# KiCad board poly_kb_molecule_5x4_wave.kicad_pcb (continued)
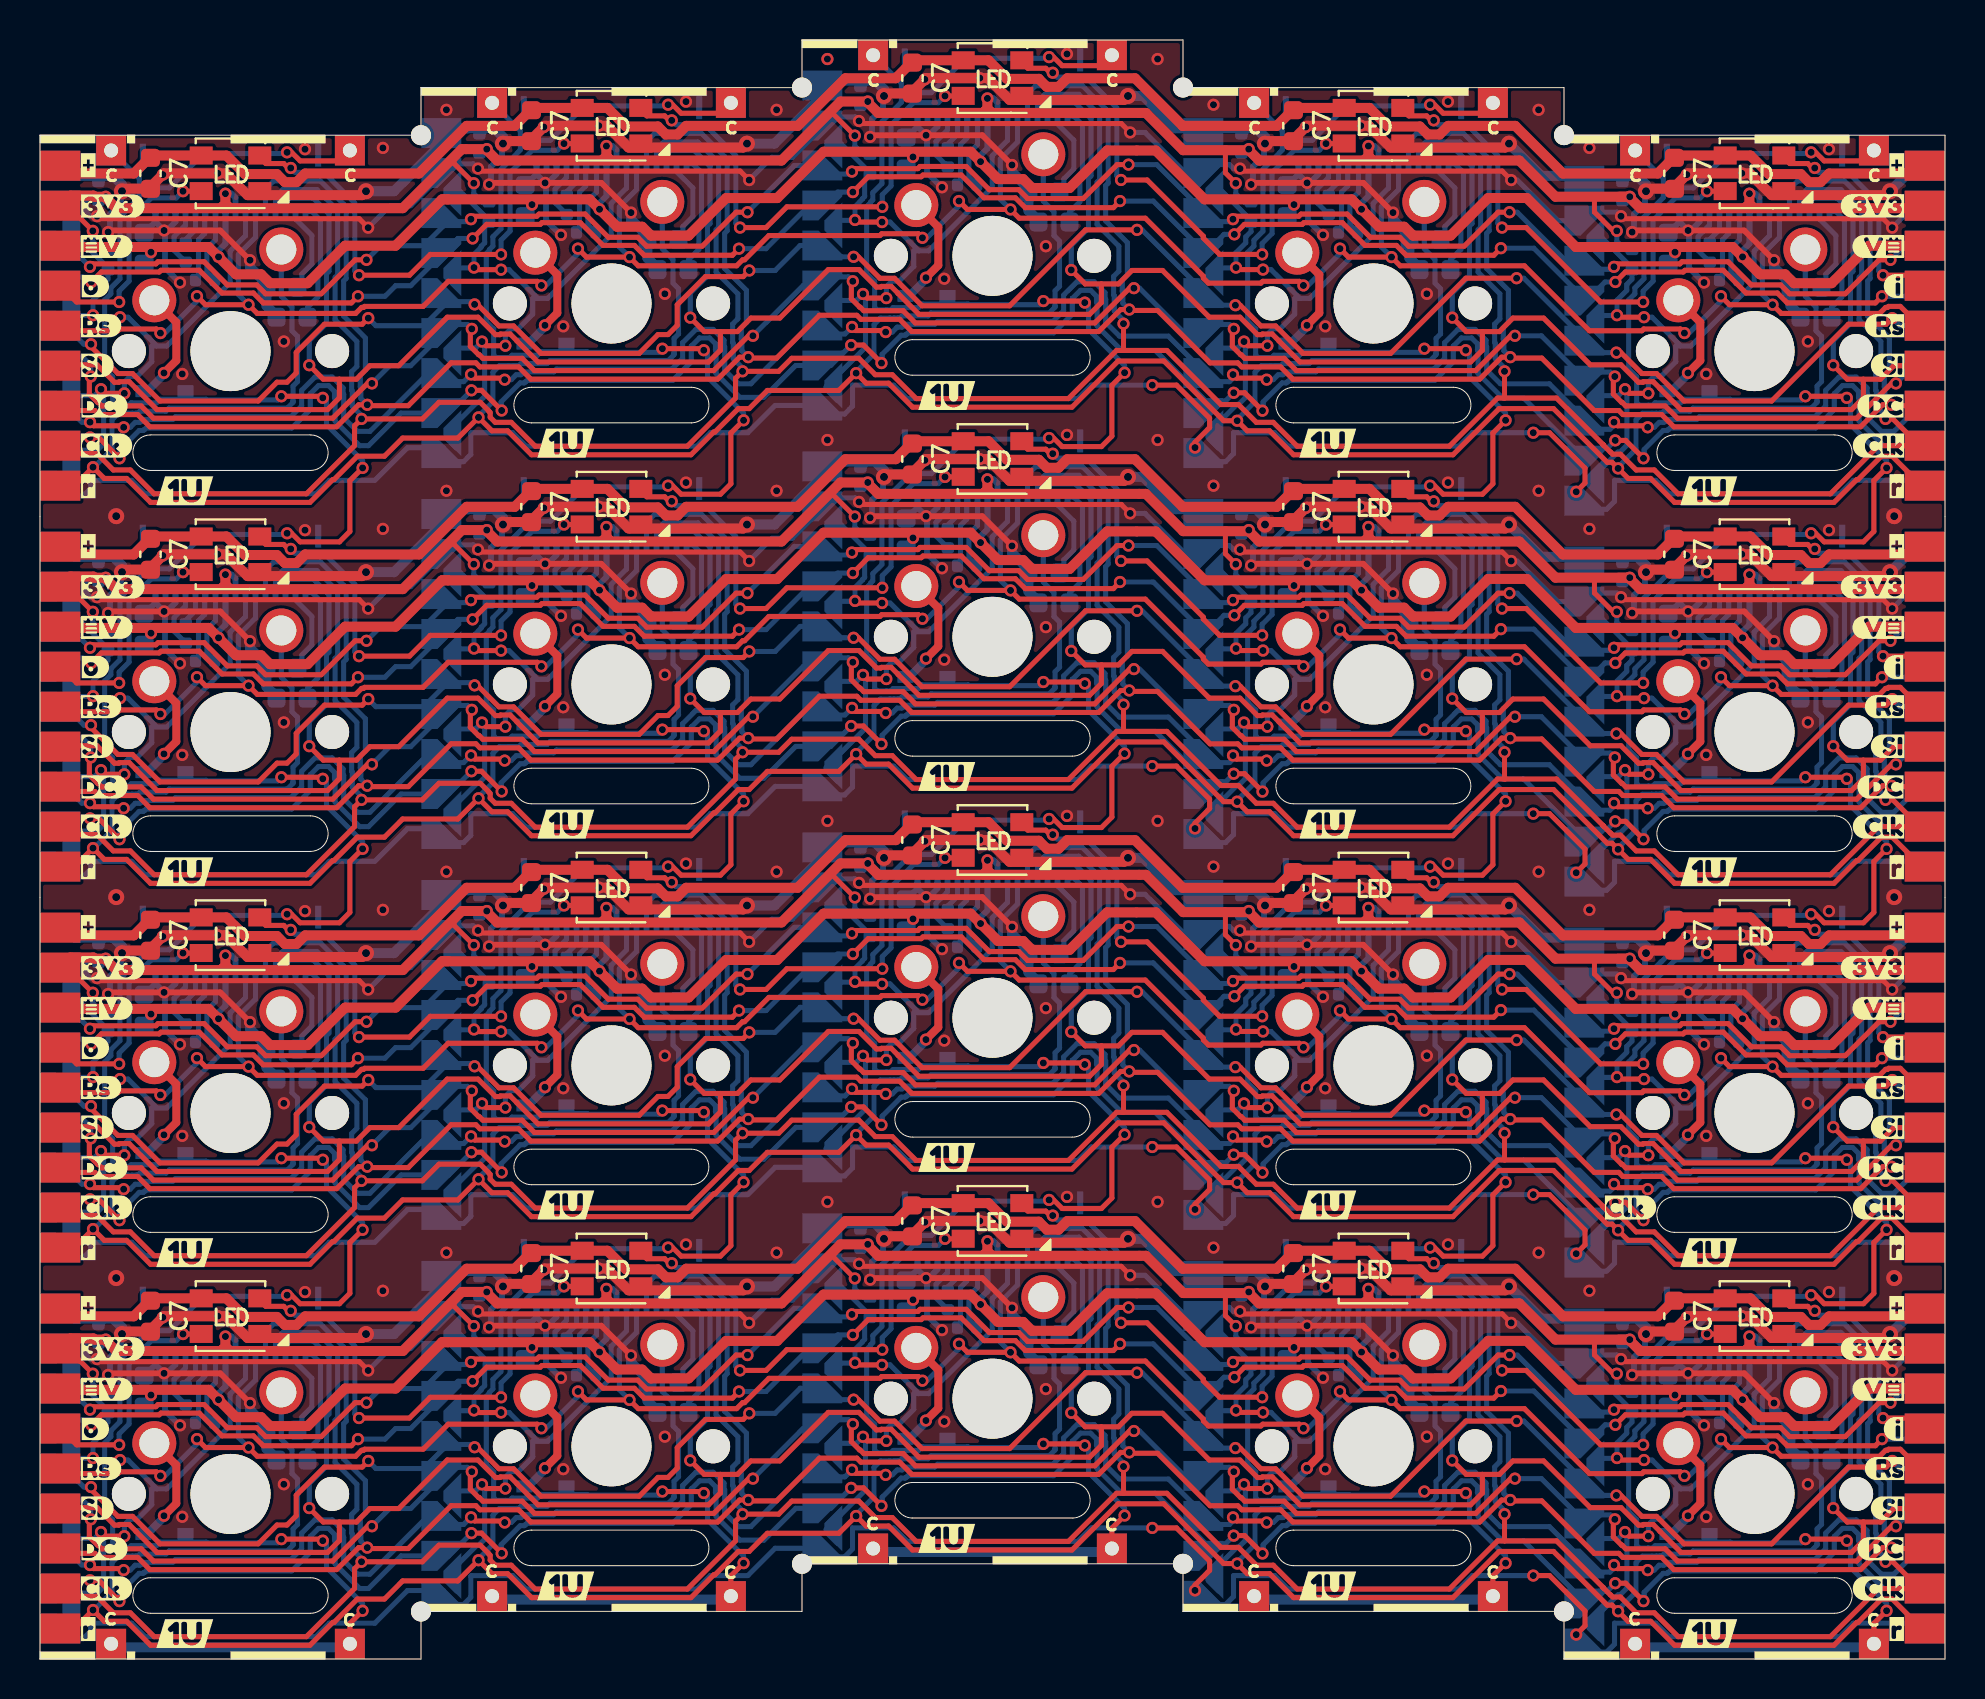
[diagram p0: board, top side]
## Routing (per net, layer and track width the routed paths; a pad name or vN(x,y) marks a point on that pad's centre or on a via; arc(x,y) is an arc through that point) (continued)
/Keyboard/sheet605ED2EB/GND: length 1207.5
  Top w0.254: v1(40.95,19.76) 41.08,19.64 54.06,19.64 v1(54.51,19.19) ; v1(54.51,38.24) 54.06,38.69 41.08,38.69 v1(40.95,38.81) ; v1(92.61,71.58) 92.16,72.02 79.18,72.02 v1(79.05,72.15) ; v1(16.41,33.48) 15.96,33.92 2.98,33.92 v1(2.85,34.05) ; v1(21.9,55.48) 22.03,55.35 35.01,55.35 v1(35.46,54.91) ; v1(60,17.38) 60.13,17.25 73.11,17.25 v1(73.56,16.81) ; v1(92.61,52.53) 92.16,52.97 79.18,52.97 v1(79.05,53.1) ; v1(60,55.48) 60.13,55.35 73.11,55.35 v1(73.56,54.91) ; v1(21.9,74.53) 22.03,74.4 35.01,74.4 v1(35.46,73.96) ; v1(92.61,33.48) 92.16,33.92 79.18,33.92 v1(79.05,34.05) ; v1(40.95,57.86) 41.08,57.74 54.06,57.74 v1(54.51,57.29) ; v1(73.56,73.96) 73.11,74.4 60.13,74.4 v1(60,74.53) ; v1(92.61,14.43) 92.16,14.87 79.18,14.87 v1(79.05,15) ; v1(2.85,53.1) 2.98,52.97 15.96,52.97 v1(16.41,52.53) ; v1(54.51,76.34) 54.06,76.79 41.08,76.79 v1(40.95,76.91) ; v1(35.46,16.81) 35.01,17.25 22.03,17.25 v1(21.9,17.38) ; v1(35.46,35.86) 35.01,36.3 22.03,36.3 v1(21.9,36.43) ; v1(60,36.43) 60.13,36.3 73.11,36.3 v1(73.56,35.86) ; v1(2.85,15) 2.98,14.87 15.96,14.87 v1(16.41,14.43) ; v1(2.85,72.15) 2.98,72.02 15.96,72.02 v1(16.41,71.58)
  Top w0.292: 60.53,35.64 60.61,35.72 v1(63.35,35.72) 66.16,35.72 v1(67.65,34.23) ; v1(48.6,74.71) 47.11,76.2 v1(44.3,76.2) 41.56,76.2 41.48,76.12 ; 3.38,33.26 3.46,33.34 v1(6.2,33.34) 9.01,33.34 v1(10.5,31.85) ; v1(48.6,17.56) 47.11,19.05 v1(44.3,19.05) 41.56,19.05 41.48,18.97 ; 3.38,71.36 3.46,71.44 v1(6.2,71.44) 9.01,71.44 v1(10.5,69.95) ; 3.38,14.21 3.46,14.29 v1(6.2,14.29) 9.01,14.29 v1(10.5,12.8) ; v1(86.7,12.8) 85.21,14.29 v1(82.4,14.29) 79.66,14.29 79.58,14.21 ; v1(48.6,36.61) 47.11,38.1 v1(44.3,38.1) 41.56,38.1 41.48,38.02 ; v1(67.65,72.33) 66.16,73.82 v1(63.35,73.82) 60.61,73.82 60.53,73.74 ; 22.43,73.74 22.51,73.82 v1(25.25,73.82) 28.06,73.82 v1(29.55,72.33) ; v1(67.65,15.18) 66.16,16.67 v1(63.35,16.67) 60.61,16.67 60.53,16.59 ; 79.58,52.31 79.66,52.39 v1(82.4,52.39) 85.21,52.39 v1(86.7,50.9) ; 79.58,33.26 79.66,33.34 v1(82.4,33.34) 85.21,33.34 v1(86.7,31.85) ; 79.58,71.36 79.66,71.44 v1(82.4,71.44) 85.21,71.44 v1(86.7,69.95) ; 3.38,52.31 3.46,52.39 v1(6.2,52.39) 9.01,52.39 v1(10.5,50.9) ; 22.43,16.59 22.51,16.67 v1(25.25,16.67) 28.06,16.67 v1(29.55,15.18) ; 22.43,54.69 22.51,54.77 v1(25.25,54.77) 28.06,54.77 v1(29.55,53.28) ; v1(48.6,55.66) 47.11,57.15 v1(44.3,57.15) 41.56,57.15 41.48,57.07 ; v1(29.55,34.23) 28.06,35.72 v1(25.25,35.72) 22.51,35.72 22.43,35.64 ; v1(67.65,53.28) 66.16,54.77 v1(63.35,54.77) 60.61,54.77 60.53,54.69
  Top w0.5: v2(73.45,56.73) 73.25,56.54 67.53,56.54 66.44,57.63 v1(66.04,57.63) 63.36,57.63 v1(63.29,57.56) 62.59,56.86 61.45,56.86 ; 80.5,16.38 81.64,16.38 v1(82.34,17.08) 82.41,17.14 v1(85.09,17.14) 85.49,17.14 86.58,16.05 92.3,16.05 v2(92.5,16.25) ; v2(16.3,35.3) 16.1,35.1 10.38,35.1 9.29,36.19 v1(8.89,36.19) 6.21,36.19 v1(6.14,36.13) 5.44,35.43 4.3,35.43 ; 42.4,59.24 43.54,59.24 v1(44.24,59.94) 44.31,60.01 v1(46.99,60.01) 47.39,60.01 48.48,58.92 54.2,58.92 v2(54.4,59.11) ; 4.3,54.48 5.44,54.48 v1(6.14,55.18) 6.21,55.24 v1(8.89,55.24) 9.29,55.24 10.38,54.15 16.1,54.15 v2(16.3,54.35) ; 42.4,40.19 43.54,40.19 v1(44.24,40.89) 44.31,40.96 v1(46.99,40.96) 47.39,40.96 48.48,39.87 54.2,39.87 v2(54.4,40.06) ; v2(73.45,75.78) 73.25,75.59 67.53,75.59 66.44,76.68 v1(66.04,76.68) 63.36,76.68 v1(63.29,76.61) 62.59,75.91 61.45,75.91 ; v2(73.45,18.63) 73.25,18.44 67.53,18.44 66.44,19.53 v1(66.04,19.53) 63.36,19.53 v1(63.29,19.46) 62.59,18.76 61.45,18.76 ; v2(92.5,35.3) 92.3,35.1 86.58,35.1 85.49,36.19 v1(85.09,36.19) 82.41,36.19 v1(82.34,36.13) 81.64,35.43 80.5,35.43 ; 61.45,37.81 62.59,37.81 v1(63.29,38.51) 63.36,38.58 v1(66.04,38.58) 66.44,38.58 67.53,37.49 73.25,37.49 v2(73.45,37.68) ; 23.35,37.81 24.49,37.81 v1(25.19,38.51) 25.26,38.58 v1(27.94,38.58) 28.34,38.58 29.43,37.49 35.15,37.49 v2(35.35,37.68) ; v2(35.35,56.73) 35.15,56.54 29.43,56.54 28.34,57.63 v1(27.94,57.63) 25.26,57.63 v1(25.19,57.56) 24.49,56.86 23.35,56.86 ; v2(35.35,75.78) 35.15,75.59 29.43,75.59 28.34,76.68 v1(27.94,76.68) 25.26,76.68 v1(25.19,76.61) 24.49,75.91 23.35,75.91 ; 4.3,16.38 5.44,16.38 v1(6.14,17.08) 6.21,17.14 v1(8.89,17.14) 9.29,17.14 10.38,16.05 16.1,16.05 v2(16.3,16.25) ; v2(92.5,73.4) 92.3,73.2 86.58,73.2 85.49,74.3 v1(85.09,74.3) 82.41,74.3 v1(82.34,74.23) 81.64,73.53 80.5,73.53 ; v2(35.35,18.63) 35.15,18.44 29.43,18.44 28.34,19.53 v1(27.94,19.53) 25.26,19.53 v1(25.19,19.46) 24.49,18.76 23.35,18.76 ; 80.5,54.48 81.64,54.48 v1(82.34,55.18) 82.41,55.24 v1(85.09,55.24) 85.49,55.24 86.58,54.15 92.3,54.15 v2(92.5,54.35) ; v2(54.4,78.16) 54.2,77.97 48.48,77.97 47.39,79.06 v1(46.99,79.06) 44.31,79.06 v1(44.24,78.99) 43.54,78.29 42.4,78.29 ; 4.3,73.53 5.44,73.53 v1(6.14,74.23) 6.21,74.3 v1(8.89,74.3) 9.29,74.3 10.38,73.2 16.1,73.2 v2(16.3,73.4) ; 42.4,21.14 43.54,21.14 v1(44.24,21.84) 44.31,21.91 v1(46.99,21.91) 47.39,21.91 48.48,20.82 54.2,20.82 v2(54.4,21.01)
  Bottom w0.254: v1(73.56,73.96) 73.86,73.96 75.89,71.92 77.32,71.92 77.74,72.35 78.85,72.35 v1(79.05,72.15) ; 1.27,15.53 1.7,15.96 2.13,15.96 2.32,15.77 2.32,15.2 2.52,15 v1(2.85,15) ; v1(16.41,33.48) 17.51,34.58 18.53,34.58 20.17,36.21 ; v1(35.46,54.91) 36.59,56.04 37.62,56.04 39.22,57.64 ; v1(21.9,74.53) 21.66,74.77 20.46,74.77 ; 20.46,36.67 21.66,36.67 v1(21.9,36.43) ; v1(35.46,16.81) 36.59,17.94 37.62,17.94 39.22,19.54 ; v1(54.51,19.19) 55.25,19.19 57.28,17.16 58.27,17.16 58.69,17.59 59.46,17.59 59.67,17.38 v1(60,17.38) ; v1(60,36.43) 59.67,36.43 59.46,36.64 58.69,36.64 58.27,36.21 57.28,36.21 55.25,38.24 v1(54.51,38.24) ; 93.98,15.53 93.71,15.53 v1(92.61,14.43) ; 20.17,74.31 18.53,72.67 17.51,72.67 v1(16.41,71.58) ; v1(2.85,53.1) 2.52,53.1 2.32,53.3 2.32,53.87 2.13,54.06 1.7,54.06 1.27,53.62 ; 93.98,34.58 93.71,34.58 v1(92.61,33.48) ; v1(40.95,57.86) 40.75,58.07 39.64,58.07 ; v1(35.46,35.86) 36.59,36.99 37.62,36.99 39.22,38.59 ; 20.46,17.62 21.66,17.62 v1(21.9,17.38) ; v1(92.61,71.58) 93.71,72.67 93.98,72.67 ; 39.64,77.12 40.75,77.12 v1(40.95,76.91) ; 39.64,19.97 40.75,19.97 v1(40.95,19.76) ; v1(60,55.48) 59.67,55.48 59.46,55.69 58.69,55.69 58.27,55.26 57.28,55.26 55.25,57.29 v1(54.51,57.29) ; 39.64,39.02 40.75,39.02 v1(40.95,38.81) ; 93.98,53.62 93.71,53.62 v1(92.61,52.53) ; v1(21.9,55.48) 21.66,55.72 20.46,55.72 ; v1(79.05,53.1) 78.85,53.3 77.74,53.3 77.32,52.88 75.89,52.88 73.86,54.91 v1(73.56,54.91) ; 1.27,34.58 1.7,35.01 2.13,35.01 2.32,34.82 2.32,34.25 2.52,34.05 v1(2.85,34.05) ; 39.22,76.69 37.62,75.09 36.59,75.09 v1(35.46,73.96) ; v1(16.41,52.53) 17.51,53.62 18.53,53.62 20.17,55.26 ; 20.17,17.16 18.53,15.53 17.51,15.53 v1(16.41,14.43) ; v1(2.85,72.15) 2.52,72.15 2.32,72.35 2.32,72.92 2.13,73.11 1.7,73.11 1.27,72.67 ; v1(54.51,76.34) 55.25,76.34 57.28,74.31 58.27,74.31 58.69,74.74 59.46,74.74 59.67,74.53 v1(60,74.53) ; v1(73.56,35.86) 73.86,35.86 75.89,33.83 77.32,33.83 77.74,34.25 78.85,34.25 v1(79.05,34.05) ; v1(79.05,15) 78.85,15.2 77.74,15.2 77.32,14.78 75.89,14.78 73.86,16.81 v1(73.56,16.81)
  Bottom w0.292: 62.93,17.1 63.35,16.68 v1(63.35,16.67) ; 62.93,17.1 J1#13.1 ; 62.93,17.1 62.57,16.75 62.36,16.75 ; J1#4.3 44.88,76.64 44.44,76.2 v1(44.3,76.2) ; v1(6.2,52.39) 6.2,52.39 5.78,52.82 ; v1(6.2,52.39) 6.34,52.39 6.78,52.82 J1#7.3 ; v1(6.2,52.39) 6.25,52.34 6.25,50.52 6.99,49.78 ; v1(63.35,35.72) 63.49,35.72 63.93,36.16 J1#8.3 ; v1(63.35,35.72) 63.35,35.73 62.93,36.15 ; v1(63.35,35.72) 63.4,35.67 63.4,33.85 64.13,33.12 ; 43.31,57.23 43.52,57.23 43.88,57.58 ; 5.78,33.77 5.42,33.41 5.21,33.41 ; 5.78,33.77 J1#11.1 ; 5.78,33.77 6.2,33.34 v1(6.2,33.34) ; v2(61.25,37.68) 61.2,37.63 61.2,37.08 60.65,36.53 60.65,35.76 60.53,35.64 ; J1#12.3 25.83,74.26 25.39,73.82 v1(25.25,73.82) ; v1(44.3,19.05) 44.3,19.06 43.88,19.48 ; v1(44.3,19.05) 44.35,19 44.35,17.18 45.09,16.45 ; v1(44.3,19.05) 44.44,19.05 44.88,19.49 J1#16.3 ; 6.99,68.83 6.25,69.57 6.25,71.39 v1(6.2,71.44) ; 81.41,71.51 81.62,71.51 81.97,71.87 ; v2(4.1,16.25) 4.05,16.2 4.05,15.65 3.5,15.1 3.5,14.33 3.38,14.21 ; 45.09,73.6 44.35,74.33 44.35,76.15 v1(44.3,76.2) ; v1(82.4,71.44) 82.54,71.44 82.97,71.88 J1#6.3 ; v1(82.4,71.44) 82.4,71.44 81.97,71.87 ; v1(82.4,71.44) 82.45,71.39 82.45,69.57 83.19,68.83 ; 43.88,38.53 43.52,38.18 43.31,38.18 ; 43.88,38.53 44.3,38.11 v1(44.3,38.1) ; 43.88,38.53 J1#9.1 ; 41.48,57.07 41.6,57.19 41.6,57.96 42.15,58.51 42.15,59.06 v2(42.2,59.11) ; J1#4.1 43.88,76.63 ; 43.88,76.63 44.3,76.21 v1(44.3,76.2) ; 43.88,76.63 43.52,76.28 43.31,76.28 ; 5.78,14.72 6.2,14.29 v1(6.2,14.29) ; 5.78,14.72 J1#15.1 ; 5.78,14.72 5.42,14.36 5.21,14.36 ; v1(82.4,52.39) 82.4,52.39 81.97,52.82 ; v1(82.4,52.39) 82.45,52.34 82.45,50.52 83.19,49.78 ; v1(82.4,52.39) 82.54,52.39 82.97,52.82 J1#18.3 ; v2(42.2,78.16) 42.15,78.11 42.15,77.56 41.6,77.01 41.6,76.24 41.48,76.12 ; J1#5.3 25.83,36.16 25.39,35.72 v1(25.25,35.72) ; 81.97,71.87 J1#6.1 ; v2(80.3,73.4) 80.25,73.35 80.25,72.8 79.7,72.25 79.7,71.48 79.58,71.36 ; 41.48,18.97 41.6,19.09 41.6,19.86 42.15,20.41 42.15,20.96 v2(42.2,21.01) ; v1(44.3,57.15) 44.3,57.16 43.88,57.58 ; v1(44.3,57.15) 44.44,57.15 44.88,57.59 J1#3.3 ; v1(44.3,57.15) 44.35,57.1 44.35,55.28 45.09,54.55 ; v1(63.35,54.77) 63.35,54.78 62.93,55.2 ; v1(63.35,54.77) 63.49,54.77 63.93,55.21 J1#2.3 ; v1(63.35,54.77) 63.4,54.72 63.4,52.9 64.13,52.17 ; J1#12.1 24.83,74.25 ; 24.83,74.25 25.25,73.83 v1(25.25,73.82) ; 24.83,74.25 24.47,73.9 24.26,73.9 ; J1#20.1 24.83,55.2 ; 24.83,55.2 25.25,54.78 v1(25.25,54.77) ; 24.83,55.2 24.47,54.85 24.26,54.85 ; 26.04,33.12 25.3,33.85 25.3,35.67 v1(25.25,35.72) ; v1(82.4,33.34) 82.54,33.34 82.97,33.78 J1#14.3 ; v1(82.4,33.34) 82.45,33.29 82.45,31.47 83.19,30.73 ; v1(82.4,33.34) 82.4,33.34 81.97,33.77 ; J1#19.3 82.97,14.72 82.54,14.29 v1(82.4,14.29) ; v2(4.1,35.3) 4.05,35.25 4.05,34.7 3.5,34.15 3.5,33.38 3.38,33.26 ; J1#8.1 62.93,36.15 ; 62.93,36.15 62.57,35.8 62.36,35.8 ; v1(82.4,14.29) 82.4,14.29 81.97,14.72 ; v1(82.4,14.29) 82.45,14.24 82.45,12.42 83.19,11.68 ; v1(25.25,16.67) 25.3,16.62 25.3,14.8 26.04,14.07 ; v1(25.25,16.67) 25.25,16.68 24.83,17.1 ; v1(25.25,16.67) 25.39,16.67 25.83,17.11 J1#10.3 ; 22.43,73.74 22.55,73.86 22.55,74.63 23.1,75.18 23.1,75.73 v2(23.15,75.78) ; 24.26,35.8 24.47,35.8 24.83,36.15 ; v2(23.15,18.63) 23.1,18.58 23.1,18.03 22.55,17.48 22.55,16.71 22.43,16.59 ; 62.93,74.25 62.57,73.9 62.36,73.9 ; 62.93,74.25 63.35,73.83 v1(63.35,73.82) ; 62.93,74.25 J1#17.1 ; v1(25.25,35.72) 25.25,35.73 24.83,36.15 ; v1(25.25,73.82) 25.3,73.77 25.3,71.95 26.04,71.22 ; 43.88,19.48 43.52,19.13 43.31,19.13 ; 43.88,19.48 J1#16.1 ; J1#5.1 24.83,36.15 ; J1#9.3 44.88,38.54 44.44,38.1 v1(44.3,38.1) ; J1#19.1 81.97,14.72 ; 81.97,14.72 81.62,14.36 81.41,14.36 ; J1#18.1 81.97,52.82 ; 81.97,52.82 81.62,52.46 81.41,52.46 ; 79.58,52.31 79.7,52.43 79.7,53.2 80.25,53.75 80.25,54.3 v2(80.3,54.35) ; v2(80.3,16.25) 80.25,16.2 80.25,15.65 79.7,15.1 79.7,14.33 79.58,14.21 ; J1#14.1 81.97,33.77 ; 81.97,33.77 81.62,33.41 81.41,33.41 ; J1#3.1 43.88,57.58 ; J1#20.3 25.83,55.21 25.39,54.77 v1(25.25,54.77) ; 60.53,73.74 60.65,73.86 60.65,74.63 61.2,75.18 61.2,75.73 v2(61.25,75.78) ; v1(44.3,38.1) 44.35,38.05 44.35,36.23 45.09,35.5 ; 5.78,52.82 5.42,52.46 5.21,52.46 ; 5.78,52.82 J1#7.1 ; v1(63.35,73.82) 63.49,73.82 63.93,74.26 J1#17.3 ; v1(63.35,73.82) 63.4,73.77 63.4,71.95 64.13,71.22 ; v2(4.1,73.4) 4.05,73.35 4.05,72.8 3.5,72.25 3.5,71.48 3.38,71.36 ; v2(61.25,56.73) 61.2,56.68 61.2,56.13 60.65,55.58 60.65,54.81 60.53,54.69 ; v1(25.25,54.77) 25.3,54.72 25.3,52.9 26.04,52.17 ; J1#13.3 63.93,17.11 63.49,16.67 v1(63.35,16.67) ; 3.38,52.31 3.5,52.43 3.5,53.2 4.05,53.75 4.05,54.3 v2(4.1,54.35) ; v1(6.2,33.34) 6.34,33.34 6.78,33.78 J1#11.3 ; v1(6.2,33.34) 6.25,33.29 6.25,31.47 6.99,30.73 ; 5.21,71.51 5.42,71.51 5.78,71.87 ; J1.1 5.78,71.87 ; 5.78,71.87 6.2,71.44 v1(6.2,71.44) ; v1(63.35,16.67) 63.4,16.62 63.4,14.8 64.13,14.07 ; J1#10.1 24.83,17.1 ; 24.83,17.1 24.47,16.75 24.26,16.75 ; J1#2.1 62.93,55.2 ; 62.93,55.2 62.57,54.85 62.36,54.85 ; v2(42.2,40.06) 42.15,40.01 42.15,39.46 41.6,38.91 41.6,38.14 41.48,38.02 ; J1#15.3 6.78,14.72 6.34,14.29 v1(6.2,14.29) ; v1(6.2,14.29) 6.25,14.24 6.25,12.42 6.99,11.68 ; 22.43,54.69 22.55,54.81 22.55,55.58 23.1,56.13 23.1,56.68 v2(23.15,56.73) ; v1(6.2,71.44) 6.34,71.44 6.78,71.88 J1.3 ; v2(23.15,37.68) 23.1,37.63 23.1,37.08 22.55,36.53 22.55,35.76 22.43,35.64 ; 60.53,16.59 60.65,16.71 60.65,17.48 61.2,18.03 61.2,18.58 v2(61.25,18.63) ; v2(80.3,35.3) 80.25,35.25 80.25,34.7 79.7,34.15 79.7,33.38 79.58,33.26
  Bottom w0.5: v2(54.4,40.06) 55.16,40.06 56.77,38.45 60.18,38.45 ; v1(10.5,69.95) 10.5,69.6 11.33,68.78 11.33,68.71 ; 87.53,68.71 87.53,68.78 86.7,69.6 v1(86.7,69.95) ; v2(35.35,56.73) 36.73,56.73 39.88,59.88 41.13,59.88 ; 3.03,55.12 3.66,55.12 4.1,54.68 v2(4.1,54.35) ; 3.03,55.12 1.78,55.12 1.27,55.62 ; 3.03,55.12 3.03,54.94 C3#20.2 ; 79.23,36.07 75.06,36.07 v2(73.45,37.68) ; 79.23,36.07 79.86,36.07 80.3,35.63 v2(80.3,35.3) ; 79.23,36.07 79.23,35.89 C3#12.2 ; 60.18,76.55 60.81,76.55 61.25,76.11 v2(61.25,75.78) ; 60.18,76.55 60.18,76.38 C3#8.2 ; 60.18,76.55 56.77,76.55 55.16,78.16 v2(54.4,78.16) ; 68.96,69.56 68.47,70.05 68.47,71.09 ; v2(23.15,75.78) 23.15,76.11 22.71,76.55 22.08,76.55 ; v2(61.25,56.73) 61.25,57.06 60.81,57.5 60.18,57.5 ; 11.33,30.61 11.33,30.67 10.5,31.5 v1(10.5,31.85) ; 49.43,35.37 49.43,35.44 48.6,36.26 v1(48.6,36.61) ; 3.03,36.07 3.66,36.07 4.1,35.63 v2(4.1,35.3) ; 3.03,36.07 1.78,36.07 1.27,36.58 ; 3.03,36.07 3.03,35.89 C3#11.2 ; 11.32,11.56 11.32,10.52 11.81,10.03 ; v1(29.55,34.23) 29.55,33.88 30.38,33.06 30.38,32.99 ; C3#19.2 60.18,38.28 60.18,38.45 ; 30.86,69.56 30.37,70.05 30.37,71.09 ; C3#10.2 79.23,73.99 79.23,74.17 ; v2(73.45,56.73) 75.06,55.12 79.23,55.12 ; 88.01,10.03 87.52,10.52 87.52,11.56 ; 79.23,17.02 75.06,17.02 v2(73.45,18.63) ; 79.23,17.02 79.23,16.84 C3#18.2 ; 79.23,17.02 79.86,17.02 80.3,16.58 v2(80.3,16.25) ; 21.4,57.5 20.83,57.5 ; 21.4,57.5 20.85,57.5 17.7,54.35 v2(16.3,54.35) ; 21.4,57.5 22.08,57.5 ; C3#9.2 41.13,59.71 41.13,59.88 ; 41.13,21.78 41.13,21.61 C3#5.2 ; 41.13,21.78 41.76,21.78 42.2,21.34 v2(42.2,21.01) ; 41.13,21.78 39.88,21.78 36.73,18.63 v2(35.35,18.63) ; 30.37,52.04 30.37,51 30.86,50.51 ; 1.27,74.67 1.78,74.17 3.03,74.17 ; 21.4,38.45 20.85,38.45 17.7,35.3 v2(16.3,35.3) ; 21.4,38.45 22.08,38.45 ; 21.4,38.45 20.83,38.45 ; 21.4,76.55 22.08,76.55 ; 21.4,76.55 20.85,76.55 17.7,73.4 v2(16.3,73.4) ; 21.4,76.55 20.83,76.55 ; 22.08,76.55 22.08,76.38 C3#2.2 ; 30.86,12.41 30.37,12.9 30.37,13.94 ; 11.81,29.08 11.32,29.57 11.32,30.61 ; C3#6.2 60.18,57.33 60.18,57.5 ; C3#4.2 41.13,78.76 41.13,78.93 ; 41.13,78.93 41.76,78.93 42.2,78.49 v2(42.2,78.16) ; 41.13,78.93 39.88,78.93 36.73,75.78 v2(35.35,75.78) ; 60.18,19.4 60.18,19.23 C3#14.2 ; 60.18,19.4 60.81,19.4 61.25,18.96 v2(61.25,18.63) ; 60.18,19.4 56.77,19.4 55.16,21.01 v2(54.4,21.01) ; v1(67.65,53.28) 67.65,52.93 68.47,52.11 68.47,52.04 ; C3#16.2 22.08,19.23 22.08,19.4 ; v2(73.45,75.78) 75.06,74.17 79.23,74.17 ; 22.08,38.45 22.08,38.28 C3#7.2 ; 22.08,38.45 22.71,38.45 23.15,38.01 v2(23.15,37.68) ; 79.23,55.12 79.86,55.12 80.3,54.68 v2(80.3,54.35) ; 79.23,55.12 79.23,54.94 C3#13.2 ; 3.03,17.02 3.03,16.84 C3#17.2 ; 3.03,17.02 3.66,17.02 4.1,16.58 v2(4.1,16.25) ; 3.03,17.02 1.78,17.02 1.27,17.53 ; v2(92.5,35.3) 93.78,36.58 93.98,36.58 ; 49.42,16.32 49.42,15.28 49.91,14.8 ; 60.18,57.5 56.77,57.5 55.16,59.11 v2(54.4,59.11) ; 87.53,30.61 87.53,30.67 86.7,31.5 v1(86.7,31.85) ; 11.81,48.13 11.32,48.62 11.32,49.66 ; 3.03,74.17 3.66,74.17 4.1,73.73 v2(4.1,73.4) ; 3.03,74.17 3.03,73.99 C3.2 ; 11.32,68.71 11.32,67.67 11.81,67.18 ; v2(16.3,16.25) 17.7,16.25 20.85,19.4 21.4,19.4 ; 11.33,49.66 11.33,49.73 10.5,50.55 v1(10.5,50.9) ; v2(23.15,56.73) 23.15,57.06 22.71,57.5 22.08,57.5 ; 22.08,19.4 22.71,19.4 23.15,18.96 v2(23.15,18.63) ; 22.08,19.4 21.4,19.4 ; 41.13,59.88 41.76,59.88 42.2,59.44 v2(42.2,59.11) ; 68.96,31.46 68.47,31.95 68.47,32.99 ; 49.43,54.42 49.43,54.49 48.6,55.31 v1(48.6,55.66) ; 49.42,54.42 49.42,53.38 49.91,52.9 ; 49.91,71.95 49.42,72.43 49.42,73.47 ; 79.23,74.17 79.86,74.17 80.3,73.73 v2(80.3,73.4) ; 41.13,40.83 41.76,40.83 42.2,40.39 v2(42.2,40.06) ; 41.13,40.83 39.88,40.83 36.73,37.68 v2(35.35,37.68) ; 41.13,40.83 41.13,40.66 C3#15.2 ; 68.96,50.51 68.47,51 68.47,52.04 ; 68.47,71.09 68.47,71.16 67.65,71.98 v1(67.65,72.33) ; 49.43,16.32 49.43,16.39 48.6,17.21 v1(48.6,17.56) ; 30.38,71.09 30.38,71.16 29.55,71.98 v1(29.55,72.33) ; v1(86.7,12.8) 86.7,12.45 87.53,11.62 87.53,11.56 ; 88.01,48.13 87.52,48.62 87.52,49.66 ; v1(10.5,12.8) 10.5,12.45 11.33,11.62 11.33,11.56 ; 49.91,33.85 49.42,34.33 49.42,35.37 ; 88.01,29.08 87.52,29.57 87.52,30.61 ; 30.38,13.94 30.38,14.01 29.55,14.83 v1(29.55,15.18) ; 21.4,19.4 20.83,19.4 ; v2(61.25,37.68) 61.25,38.01 60.81,38.45 60.18,38.45 ; v1(86.7,50.9) 86.7,50.55 87.53,49.73 87.53,49.66 ; 87.52,68.71 87.52,67.67 88.01,67.18 ; v1(29.55,53.28) 29.55,52.93 30.38,52.11 30.38,52.04 ; v2(92.5,54.35) 93.78,55.62 93.98,55.62 ; 68.47,13.94 68.47,12.9 68.96,12.41 ; 22.08,57.5 22.08,57.33 C3#3.2 ; v2(92.5,73.4) 93.78,74.67 93.98,74.67 ; 68.47,32.99 68.47,33.06 67.65,33.88 v1(67.65,34.23) ; v1(67.65,15.18) 67.65,14.83 68.47,14.01 68.47,13.94 ; v2(92.5,16.25) 93.78,17.53 93.98,17.53 ; v1(48.6,74.71) 48.6,74.36 49.43,73.54 49.43,73.47 ; 30.86,31.46 30.37,31.95 30.37,32.99
  vias: v1(3.41,71.36) v1(3.41,52.31) v1(3.41,33.26) v1(3.41,14.21) v1(7,68.83) v1(7,49.78) v1(7,30.73) v1(7,11.68) v1(7.11,64.26) v1(7.11,45.21) v1(7.11,26.16) v1(7.11,7.11) v1(12.19,65.89) v1(12.19,46.84) v1(12.19,27.79) v1(12.19,8.74) v1(13.25,75.5) v1(13.25,56.45) v1(13.25,37.4) v1(13.25,18.35) v1(17.15,75.56) v1(17.15,56.52) v1(17.15,37.47) v1(17.15,18.42) v1(20.32,77.47) v1(20.32,58.42) v1(20.32,39.37) v1(20.32,20.32) v1(22.46,73.74) v1(22.46,54.69) v1(22.46,35.64) v1(22.46,16.59) v1(26.05,71.22) v1(26.05,52.17) v1(26.05,33.12) v1(26.05,14.07) v1(26.16,66.64) v1(26.16,47.59) v1(26.16,28.54) v1(26.16,9.49) v1(31.24,68.27) v1(31.24,49.22) v1(31.24,30.17) v1(31.24,11.12) v1(32.3,77.88) v1(32.3,58.83) v1(32.3,39.78) v1(32.3,20.73) v1(36.83,77.47) v1(36.83,58.42) v1(36.83,39.37) v1(36.83,20.32) v1(39.37,80.01) v1(39.37,60.96) v1(39.37,41.91) v1(39.37,22.86) v1(41.51,76.12) v1(41.51,57.07) v1(41.51,38.02) v1(41.51,18.97) v1(45.1,73.6) v1(45.1,54.55) v1(45.1,35.5) v1(45.1,16.45) v1(45.21,69.02) v1(45.21,49.97) v1(45.21,30.92) v1(45.21,11.87) v1(50.29,70.65) v1(50.29,51.6) v1(50.29,32.55) v1(50.29,13.5) v1(51.35,80.26) v1(51.35,61.21) v1(51.35,42.16) v1(51.35,23.11) v1(55.88,80.01) v1(55.88,60.96) v1(55.88,41.91) v1(55.88,22.86) v1(58.67,77.72) v1(58.67,58.67) v1(58.67,39.62) v1(58.67,20.57) v1(60.56,73.74) v1(60.56,54.69) v1(60.56,35.64) v1(60.56,16.59) v1(64.15,71.22) v1(64.15,52.17) v1(64.15,33.12) v1(64.15,14.07) v1(64.26,66.64) v1(64.26,47.59) v1(64.26,28.54) v1(64.26,9.49) v1(69.34,68.27) v1(69.34,49.22) v1(69.34,30.17) v1(69.34,11.12) v1(70.4,77.88) v1(70.4,58.83) v1(70.4,39.78) v1(70.4,20.73) v1(74.93,77.47) v1(74.93,58.42) v1(74.93,39.37) v1(74.93,20.32) v1(77.47,75.56) v1(77.47,56.52) v1(77.47,37.47) v1(77.47,18.42) v1(79.61,71.36) v1(79.61,52.31) v1(79.61,33.26) v1(79.61,14.21) v1(83.2,68.83) v1(83.2,49.78) v1(83.2,30.73) v1(83.2,11.68) v1(83.31,64.26) v1(83.31,45.21) v1(83.31,26.16) v1(83.31,7.11) v1(88.39,65.89) v1(88.39,46.84) v1(88.39,27.79) v1(88.39,8.74) v1(89.45,75.5) v1(89.45,56.45) v1(89.45,37.4) v1(89.45,18.35) v2(3.81,57.15) v2(3.81,38.1) v2(3.81,19.05) v2(92.71,57.15) v2(92.71,38.1) v2(92.71,19.05)
/Keyboard/sheet605ED2EB/CS: length 604.5
  Top w0.254: v1(2.65,48.15) 2.75,48.05 v1(4,48.05) ; v1(22.1,46.83) 22.31,46.62 v1(23.27,46.62) ; v1(23.27,27.57) 22.31,27.57 v1(22.1,27.78) ; v1(23.27,8.52) 22.31,8.52 v1(22.1,8.73) ; v1(40.75,14.81) 40.85,14.71 v1(42.1,14.71) ; v1(23.05,31.38) 21.8,31.38 v1(21.7,31.48) ; v1(42.32,29.96) 41.36,29.96 v1(41.15,30.16) ; v1(80.2,67.1) 78.95,67.1 v1(78.85,67.2) ; v1(61.37,27.57) 60.41,27.57 v1(60.2,27.78) ; v1(42.1,52.81) 40.85,52.81 v1(40.75,52.91) ; v1(23.05,12.33) 21.8,12.33 v1(21.7,12.43) ; v1(22.1,65.88) 22.31,65.67 v1(23.27,65.67) ; v1(42.32,49.01) 41.36,49.01 v1(41.15,49.21) ; v1(59.8,31.48) 59.9,31.38 v1(61.15,31.38) ; v1(23.05,50.43) 21.8,50.43 v1(21.7,50.53) ; v1(40.75,71.96) 40.85,71.86 v1(42.1,71.86) ; v1(79.25,6.35) 79.46,6.14 v1(80.42,6.14) ; v1(80.2,29) 78.95,29 v1(78.85,29.1) ; v1(23.05,69.48) 21.8,69.48 v1(21.7,69.58) ; v1(60.2,65.88) 60.41,65.67 v1(61.37,65.67) ; v1(4.22,44.24) 3.26,44.24 v1(3.05,44.45) ; v1(79.25,63.5) 79.46,63.29 v1(80.42,63.29) ; v1(79.25,44.45) 79.46,44.24 v1(80.42,44.24) ; v1(42.1,33.76) 40.85,33.76 v1(40.75,33.86) ; v1(3.05,6.35) 3.26,6.14 v1(4.22,6.14) ; v1(4.22,25.19) 3.26,25.19 v1(3.05,25.4) ; v1(4,67.1) 2.75,67.1 v1(2.65,67.2) ; v1(61.15,50.43) 59.9,50.43 v1(59.8,50.53) ; v1(61.15,69.48) 59.9,69.48 v1(59.8,69.58) ; v1(42.32,10.91) 41.36,10.91 v1(41.15,11.11) ; v1(78.85,48.15) 78.95,48.05 v1(80.2,48.05) ; v1(61.37,46.62) 60.41,46.62 v1(60.2,46.83) ; v1(3.05,63.5) 3.26,63.29 v1(4.22,63.29) ; v1(60.2,8.73) 60.41,8.52 v1(61.37,8.52) ; v1(61.15,12.33) 59.9,12.33 v1(59.8,12.43) ; v1(2.65,29.1) 2.75,29 v1(4,29) ; v1(41.15,68.26) 41.36,68.06 v1(42.32,68.06) ; v1(79.25,25.4) 79.46,25.19 v1(80.42,25.19) ; v1(80.2,9.95) 78.95,9.95 v1(78.85,10.05) ; v1(4,9.95) 2.75,9.95 v1(2.65,10.05)
  Bottom w0.25: 20.82,73.58 22.45,71.95 R1#18.2 ; 20.82,54.53 22.45,52.9 R1#14.2 ; 58.92,35.48 60.55,33.85 R1#19.2 ; R1#4.2 3.4,12.42 1.77,14.05 J5#17.10 ; 39.87,18.82 41.5,17.18 R1#15.2 ; R1#7.2 22.45,14.8 20.82,16.43 ; J5#13.10 1.77,52.15 3.4,50.52 R1#17.2 ; 77.97,14.05 79.6,12.42 R1#12.2 ; R1#5.2 79.6,50.52 77.97,52.15 ; 77.97,33.1 79.6,31.47 R1.2 ; J5.10 1.77,71.2 3.4,69.57 R1#13.2 ; 58.92,54.53 60.55,52.9 R1#6.2 ; J5#9.10 1.77,33.1 3.4,31.47 R1#3.2 ; R1#10.2 79.6,69.57 77.97,71.2 ; 39.87,37.87 41.5,36.23 R1#2.2 ; 39.87,56.92 41.5,55.28 R1#16.2 ; R1#20.2 22.45,33.85 20.82,35.48 ; R1#11.2 60.55,71.95 58.92,73.58 ; R1#9.2 60.55,14.8 58.92,16.43 ; R1#8.2 41.5,74.33 39.87,75.97
  Bottom w0.254: R1#6.2 60.55,52.33 60.29,52.07 60.29,51.77 59.8,51.28 v1(59.8,50.53) 59.78,50.51 58.92,50.51 ; R1#4.2 3.4,11.85 3.14,11.59 3.14,11.29 2.65,10.8 v1(2.65,10.05) 2.63,10.03 1.77,10.03 ; 22.1,8.73 v1(22.1,8.73) 21.77,8.41 20.82,8.41 ; v1(42.1,71.86) 42.51,71.86 43.94,70.42 ; J5#5.10 59.85,62.74 59.93,62.74 60.27,63.08 60.27,65.79 60.2,65.86 ; 39.29,25.52 J5#10.10 41.27,27.5 41.27,30.02 41.15,30.14 ; v1(61.15,50.43) 61.55,50.43 62.99,48.99 ; 82.04,65.66 80.6,67.1 v1(80.2,67.1) ; 77.97,44.12 78.92,44.12 v1(79.25,44.45) 79.25,44.45 ; v1(23.05,50.43) 23.46,50.43 24.89,48.99 ; 58.93,41.5 58.42,42.01 ; v1(80.2,9.95) 80.6,9.95 82.04,8.51 ; R1#5.2 79.6,49.95 79.34,49.69 79.34,49.39 78.85,48.9 v1(78.85,48.15) 78.83,48.13 77.97,48.13 ; 3.05,6.35 v1(3.05,6.35) 2.72,6.03 1.77,6.03 ; 43.94,13.27 42.51,14.71 v1(42.1,14.71) ; v1(80.2,48.05) 80.6,48.05 82.04,46.61 ; v1(80.42,44.24) 80.42,44.81 80.7,45.09 81.06,45.09 81.79,45.82 81.79,46.61 82.54,46.61 85.71,49.78 85.71,51.36 86.47,52.12 J1#18.10 ; 79.25,6.35 v1(79.25,6.35) 78.92,6.03 77.97,6.03 ; J5#13.10 2.04,41.4 2.88,41.4 3.18,41.71 3.18,44.29 3.05,44.43 ; R1#3.2 3.4,30.9 3.14,30.64 3.14,30.34 2.65,29.85 v1(2.65,29.1) 2.63,29.08 1.77,29.08 ; v1(23.05,69.48) 23.46,69.48 24.89,68.04 ; 41.15,68.24 41.27,68.12 41.27,65.6 J5#3.10 39.29,63.62 ; 39.87,52.9 40.73,52.9 v1(40.75,52.91) 40.75,53.58 41.12,53.96 41.12,53.98 41.23,54.09 41.23,54.9 R1#16.2 ; R1#9.2 60.55,14.23 60.29,13.97 60.29,13.67 59.8,13.18 v1(59.8,12.43) 59.78,12.41 58.92,12.41 ; R1#12.2 79.6,11.85 79.34,11.59 79.34,11.29 78.85,10.8 v1(78.85,10.05) 78.83,10.03 77.97,10.03 ; R1#13.2 3.4,69 3.14,68.74 3.14,68.44 2.65,67.95 v1(2.65,67.2) 2.63,67.18 1.77,67.18 ; v1(23.27,27.57) 23.27,28.14 23.55,28.42 23.91,28.42 24.64,29.15 24.64,29.94 25.39,29.94 28.56,33.11 28.56,34.69 29.33,35.46 J1#5.10 ; J5#15.10 59.85,5.59 59.93,5.59 60.27,5.93 60.27,8.64 60.2,8.71 ; 5.84,65.66 4.4,67.1 v1(4,67.1) ; 39.87,48.89 40.82,48.89 v1(41.15,49.21) 41.15,49.21 ; 39.88,24.83 39.37,25.34 ; 60.2,46.81 60.27,46.74 60.27,44.03 59.93,43.69 59.85,43.69 J5#11.10 ; 58.92,31.46 59.78,31.46 v1(59.8,31.48) 59.8,32.23 60.29,32.72 60.29,33.02 60.55,33.28 R1#19.2 ; J5#4.10 78.9,60.36 79,60.36 79.34,60.7 79.34,63.38 79.25,63.48 ; v1(61.15,12.33) 61.55,12.33 62.99,10.89 ; R1#7.2 22.23,14.47 22.23,13.67 22.06,13.5 22.06,13.46 21.7,13.09 v1(21.7,12.43) 21.68,12.41 20.82,12.41 ; 10.27,53.34 10.27,52.12 9.51,51.36 9.51,49.78 6.34,46.61 5.59,46.61 5.59,45.82 4.86,45.09 4.5,45.09 4.22,44.81 v1(4.22,44.24) ; J1#4.10 48.38,75.94 47.61,75.17 47.61,73.6 44.44,70.42 43.69,70.42 43.69,69.63 42.96,68.9 42.6,68.9 42.32,68.62 v1(42.32,68.06) ; J1#9.10 48.38,37.84 47.61,37.07 47.61,35.5 44.44,32.32 43.69,32.32 43.69,31.53 42.96,30.8 42.6,30.8 42.32,30.52 v1(42.32,29.96) ; 41.15,11.11 v1(41.15,11.11) 40.82,10.79 39.87,10.79 ; 22.1,27.78 v1(22.1,27.78) 21.77,27.46 20.82,27.46 ; 1.77,63.17 2.72,63.17 v1(3.05,63.5) 3.05,63.5 ; 3.05,25.38 3.18,25.24 3.18,22.66 2.88,22.35 2.04,22.35 J5#9.10 ; R1#10.2 79.6,69 79.34,68.74 79.34,68.44 78.85,67.95 v1(78.85,67.2) 78.83,67.18 77.97,67.18 ; J5#12.10 78.9,3.21 79,3.21 79.34,3.55 79.34,6.23 79.25,6.33 ; 41.15,49.19 41.27,49.07 41.27,46.55 J5#20.10 39.29,44.57 ; 79.25,25.38 79.34,25.28 79.34,22.6 79,22.26 78.9,22.26 J5#16.10 ; 58.93,22.45 58.42,22.96 ; J5#18.10 21.84,24.73 21.93,24.73 22.23,25.04 22.23,27.63 22.1,27.76 ; v1(23.27,65.67) 23.27,66.24 23.55,66.52 23.91,66.52 24.64,67.25 24.64,68.04 25.39,68.04 28.56,71.21 28.56,72.79 29.33,73.56 J1#12.10 ; 22.1,65.88 v1(22.1,65.88) 21.77,65.56 20.82,65.56 ; 77.98,20.07 77.47,20.58 ; v1(4.22,25.19) 4.22,25.76 4.5,26.04 4.86,26.04 5.59,26.77 5.59,27.56 6.34,27.56 9.51,30.73 9.51,32.31 10.27,33.07 10.27,34.29 ; 39.87,29.84 40.82,29.84 v1(41.15,30.16) 41.15,30.16 ; 43.94,51.37 42.51,52.81 v1(42.1,52.81) ; J1#20.10 29.33,54.51 28.56,53.74 28.56,52.16 25.39,48.99 24.64,48.99 24.64,48.2 23.91,47.47 23.55,47.47 23.27,47.19 v1(23.27,46.62) ; 39.29,6.47 J5#8.10 41.27,8.45 41.27,10.97 41.15,11.09 ; 3.05,63.48 3.18,63.34 3.18,60.76 2.88,60.45 2.04,60.45 J5.10 ; v1(61.37,65.67) 61.37,66.24 61.65,66.52 62.01,66.52 62.74,67.25 62.74,68.04 63.49,68.04 66.66,71.21 66.66,72.79 67.43,73.56 J1#17.10 ; R1#20.2 22.23,33.52 22.23,32.72 22.06,32.55 22.06,32.51 21.7,32.14 v1(21.7,31.48) 21.68,31.46 20.82,31.46 ; 20.82,69.56 21.68,69.56 v1(21.7,69.58) 21.7,70.24 22.06,70.61 22.06,70.65 22.23,70.82 22.23,71.62 R1#18.2 ; v1(4.22,6.14) 4.22,6.71 4.5,6.99 4.86,6.99 5.59,7.72 5.59,8.51 6.34,8.51 9.51,11.68 9.51,13.26 10.27,14.02 10.27,15.24 ; 22.1,8.71 22.23,8.58 22.23,5.99 21.93,5.68 21.84,5.68 J5#6.10 ; 3.05,25.4 v1(3.05,25.4) 2.72,25.08 1.77,25.08 ; v1(80.42,63.29) 80.42,63.86 80.7,64.14 81.06,64.14 81.79,64.87 81.79,65.66 82.54,65.66 85.71,68.83 85.71,70.41 86.47,71.17 J1#6.10 ; 62.99,29.94 61.55,31.38 v1(61.15,31.38) ; v1(23.05,12.33) 23.46,12.33 24.89,10.89 ; 39.88,5.78 39.37,6.29 ; 39.88,62.93 39.37,63.44 ; J1#3.10 48.38,56.89 47.61,56.12 47.61,54.55 44.44,51.37 43.69,51.37 43.69,50.58 42.96,49.85 42.6,49.85 42.32,49.57 v1(42.32,49.01) ; 39.88,43.88 39.37,44.39 ; 20.82,46.51 21.77,46.51 v1(22.1,46.83) 22.1,46.83 ; 22.1,46.81 22.23,46.68 22.23,44.09 21.93,43.78 21.84,43.78 J5#7.10 ; 58.92,8.41 59.87,8.41 v1(60.2,8.73) 60.2,8.73 ; 22.1,65.86 22.23,65.73 22.23,63.14 21.93,62.83 21.84,62.83 J5#2.10 ; 77.98,58.17 77.47,58.67 ; 79.25,44.43 79.34,44.33 79.34,41.65 79,41.31 78.9,41.31 J5#19.10 ; 58.93,60.55 58.42,61.06 ; J1#8.10 67.43,35.46 66.66,34.69 66.66,33.11 63.49,29.94 62.74,29.94 62.74,29.15 62.01,28.42 61.65,28.42 61.37,28.14 v1(61.37,27.57) ; R1#17.2 3.4,49.95 3.14,49.69 3.14,49.39 2.65,48.9 v1(2.65,48.15) 2.63,48.13 1.77,48.13 ; 58.92,65.56 59.87,65.56 v1(60.2,65.88) 60.2,65.88 ; v1(61.15,69.48) 61.55,69.48 62.99,68.04 ; 20.83,3.4 20.32,3.91 ; 39.87,14.8 40.73,14.8 v1(40.75,14.81) 40.75,15.48 41.12,15.86 41.12,15.88 41.23,15.99 41.23,16.8 R1#15.2 ; J5#17.10 2.04,3.3 2.88,3.3 3.18,3.61 3.18,6.19 3.05,6.33 ; v1(42.1,33.76) 42.51,33.76 43.94,32.32 ; 39.87,67.94 40.82,67.94 v1(41.15,68.26) 41.15,68.26 ; 20.83,22.45 20.32,22.96 ; R1#14.2 22.23,52.57 22.23,51.77 22.06,51.6 22.06,51.56 21.7,51.19 v1(21.7,50.53) 21.68,50.51 20.82,50.51 ; 77.97,25.08 78.92,25.08 v1(79.25,25.4) 79.25,25.4 ; v1(23.27,8.52) 23.27,9.09 23.55,9.37 23.91,9.37 24.64,10.1 24.64,10.89 25.39,10.89 28.56,14.06 28.56,15.64 29.33,16.41 J1#10.10 ; J1#14.10 86.47,33.07 85.71,32.31 85.71,30.73 82.54,27.56 81.79,27.56 81.79,26.77 81.06,26.04 80.7,26.04 80.42,25.76 v1(80.42,25.19) ; J5#14.10 59.85,24.64 59.93,24.64 60.27,24.98 60.27,27.69 60.2,27.76 ; 77.97,29.08 78.83,29.08 v1(78.85,29.1) 78.85,29.85 79.34,30.34 79.34,30.64 79.6,30.9 R1.2 ; R1#11.2 60.55,71.38 60.29,71.12 60.29,70.82 59.8,70.33 v1(59.8,69.58) 59.78,69.56 58.92,69.56 ; 39.87,33.85 40.73,33.85 v1(40.75,33.86) 40.75,34.53 41.12,34.91 41.12,34.93 41.23,35.04 41.23,35.85 R1#2.2 ; 1.77,44.12 2.72,44.12 v1(3.05,44.45) 3.05,44.45 ; v1(4,29) 4.4,29 5.84,27.56 ; J1#19.10 86.47,14.02 85.71,13.26 85.71,11.68 82.54,8.51 81.79,8.51 81.79,7.72 81.06,6.99 80.7,6.99 80.42,6.71 v1(80.42,6.14) ; 39.87,71.95 40.73,71.95 v1(40.75,71.96) 40.75,72.63 41.12,73.01 41.12,73.03 41.23,73.14 41.23,73.95 R1#8.2 ; 24.89,29.94 23.46,31.38 v1(23.05,31.38) ; v1(42.32,10.91) 42.32,11.47 42.6,11.75 42.96,11.75 43.69,12.48 43.69,13.27 44.44,13.27 47.61,16.45 47.61,18.02 48.38,18.79 J1#16.10 ; 77.98,39.12 77.47,39.62 ; 79.25,63.5 v1(79.25,63.5) 78.92,63.17 77.97,63.17 ; 58.93,3.4 58.42,3.91 ; 20.83,41.5 20.32,42.01 ; v1(80.2,29) 80.6,29 82.04,27.56 ; 5.84,8.51 4.4,9.95 v1(4,9.95) ; 58.92,46.51 59.87,46.51 v1(60.2,46.83) 60.2,46.83 ; 20.83,60.55 20.32,61.06 ; 10.27,72.39 10.27,71.17 9.51,70.41 9.51,68.83 6.34,65.66 5.59,65.66 5.59,64.87 4.86,64.14 4.5,64.14 4.22,63.86 v1(4.22,63.29) ; v1(4,48.05) 4.4,48.05 5.84,46.61 ; 60.2,27.78 v1(60.2,27.78) 59.87,27.46 58.92,27.46 ; J1#2.10 67.43,54.51 66.66,53.74 66.66,52.16 63.49,48.99 62.74,48.99 62.74,48.2 62.01,47.47 61.65,47.47 61.37,47.19 v1(61.37,46.62) ; J1#13.10 67.43,16.41 66.66,15.64 66.66,14.06 63.49,10.89 62.74,10.89 62.74,10.1 62.01,9.37 61.65,9.37 61.37,9.09 v1(61.37,8.52) ; 77.98,1.02 77.47,1.53